# Altium PCB MCU063B_PCB.PcbDoc (part 4 of 9)
Units mil, origin at the board's own origin, x right, y up, seen from the top; angles counter-clockwise.
Board outline 4165.01 x 2371.03 mil, 10 copper layers (Top Layer, Internal Plane 2, Signal Layer 3, Signal Layer 4, Internal Plane 5, Internal Plane 6, Signal Layer 7, Signal Layer 8, Internal Plane 9, Bottom), stack 59.9 mil thick; 440 components, 394 nets, 1760 pads, 1251 vias.
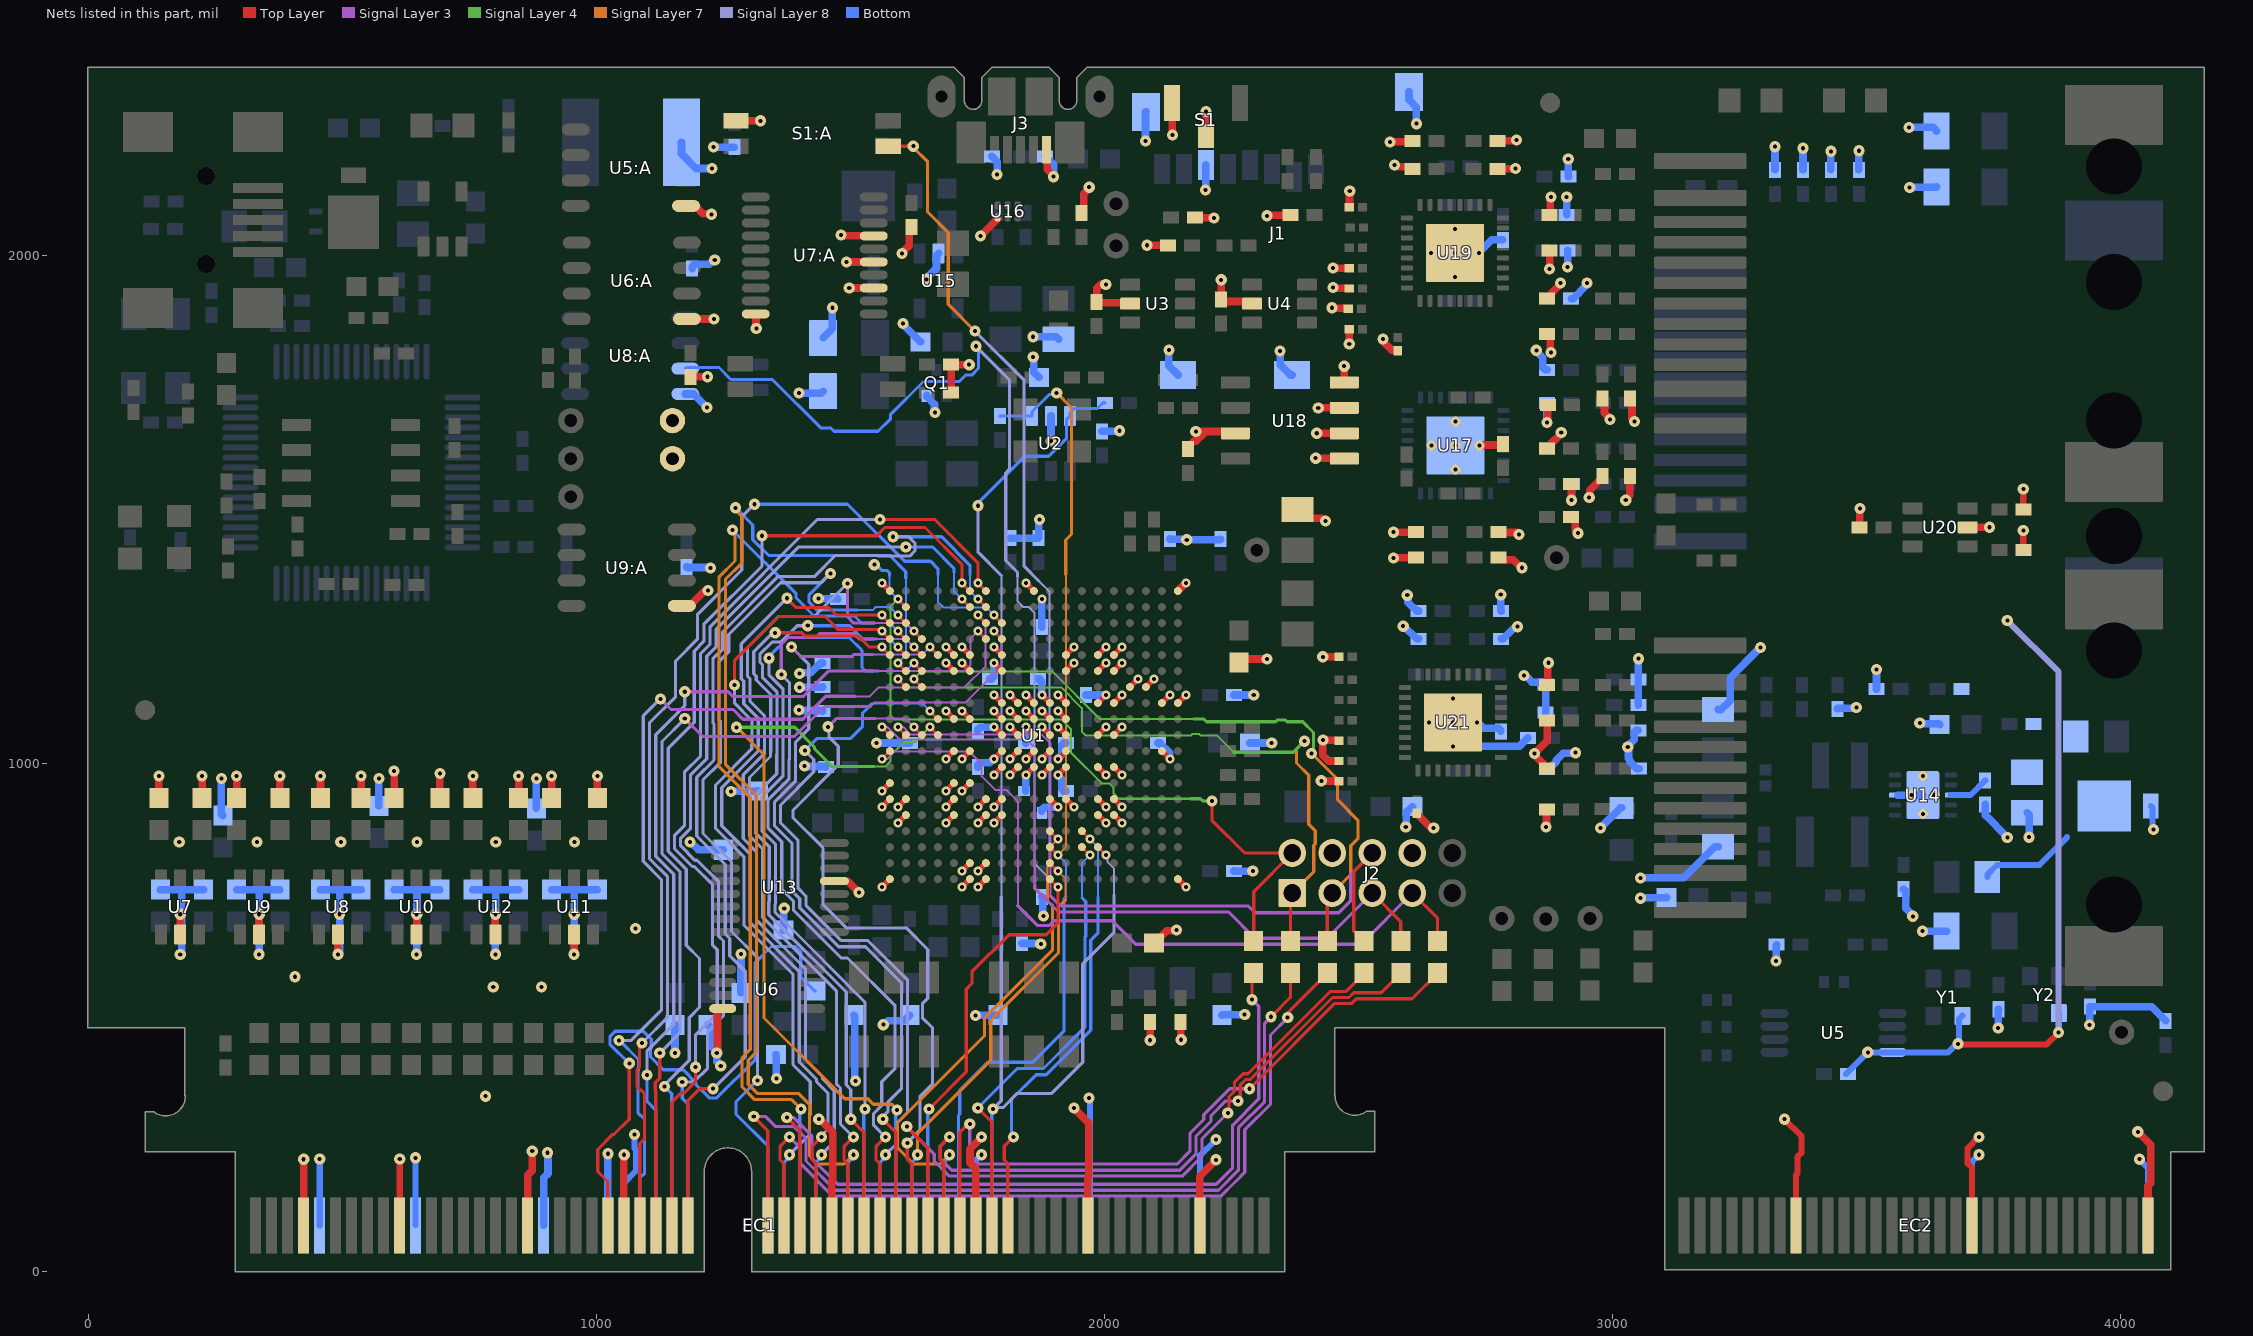
[diagram p12: the nets of this part, all layers, seen from the top]

## Via types
v1: diameter 22, hole 8, Top Layer to Bottom, tented both sides, 895 vias
v2: diameter 18, hole 8, Top Layer to Bottom, tented both sides, 334 vias
v3: diameter 19.68, hole 7.87, Top Layer to Bottom, tented both sides, 19 vias
v4: diameter 18, hole 7.87, Top Layer to Bottom, tented both sides, 1 vias
v5: diameter 18/18/18/18/18/18 (per signal layer), hole 8, Top Layer to Bottom, tented both sides, 1 vias
v6: diameter 22/22/22/22/22/22 (per signal layer), hole 8, Top Layer to Bottom, tented both sides, 1 vias

## Nets (pads, with @x,y where several pads share a name; then routed paths per layer and width w, separated by ;. In a path a pad name is that pad's centre, name@x,y a point inside that pad or via, vN(x,y) a via of type N, cw(c..) or ccw(c..) an arc to the next point about the centre after c; other vN are vias at no path point) (continued)
GND: C1.2 C2.2 C3.2 C4.2 C5.2 C6.2 C7.2 C8.2 C9.2 C10.2 C11.2 C12.2 C13.2 C14.2 C15.2 C16.2 C17.2 C18.2 C19.2 C20.2 C21.2 C21:A.2 C22.2 C23.2 C23:A.2 C24.2 C24:A.1 C25.2 C26.2 C26:A.2 C27.2 C28.2 C28:A.2 C29.2 C29:A.1 C30.2 C31.2 C32.2 C33.2 C34.2 C35.2 C36.2 C37.2 C38.2 C39.2 C40.2 C41.2 C42.2 C43.2 C44.1 C45.2 C46.2 C47.2 C48.2 C49.1 C51.2 C52.1 C53.1 C54.2 C55.2 C56.2 C57.2 C58.2 C59.2 C60.2 C61.2 C62.2 C63.1 C64.1 C65.2 C66.2 C67.2 C68.2 C69.2 C70.2 C71.2 C72.2 C73.2 C74.2 C75.2 C76.2 C77.2 C78.2 C79.2 C80.2 C81.1 C82.2 C83.2 C84.2 C85.2 C86.1 C87.2 C88.2 C89.2 C90.2 C91.2 C92.2 C93.2 C94.2 C95.2 C96.2 C97.1 C98.1 C99.1 C100.1 C101.2 C102.2 C103.1 C104.2 C105.2 C106.2 C107.2 C108.2 C109.2 C110.2 C111.2 C112.2 C113.2 C114.1 C115.2 C116.1 C117.1 C118.1 C119.2 C120.2 C121.1 C122.2 C123.2 C124.2 C125.2 C126.2 C127.2 C128.2 C129.2 C130.2 C131.2 C132.1 C133.1 C134.2 C135.1 C136.1 C137.2 C138.2 C139.1 D5.1 EC1.7 EC1.10 EC1.19 EC1.22 EC1.35 EC1.38 EC1.46 EC1.47 EC1.65 EC1.83 EC1.97 EC1.111 EC2.135 EC2.157 EC2.179 J1.6 J1.S1 J1.S2 J1.S3 J1.S4 J2.4 J2.8 J3.5 Q1.2 R16.1 R17.1 R18.1 R19.1 R36.2 R37.1 R41.2 R45.2 R46.2 R91.1 R92.1 R93.1 R94.1 R100.1 R105.2 R106.2 R109.2 R124.2 R131.1 R132.1 R133.1 R134.1 R135.1 R136.1 R143.2 R144.2 R148.2 R155.1 R156.1 R157.1 R158.1 R159.1 S1.2 S1.3 S1:A.1 TP10.1 U1.A1 U1.A10 U1.A19 U1.E5 U1.E6 U1.E8 U1.E12 U1.E14 U1.E15 U1.F5 U1.F6 U1.F8 U1.F12 U1.F14 U1.F15 U1.G16 U1.G17 U1.H8 U1.H9 U1.H10 U1.H11 U1.H12 U1.H14 U1.H15 U1.H18 U1.H19 U1.J5 U1.J6 U1.J8 U1.J9 U1.J10 U1.J11 U1.J12 U1.K8 U1.K9 U1.K10 U1.K11 U1.K12 U1.K14 U1.K15 U1.L5 U1.L6 U1.L8 U1.L9 U1.L10 U1.L11 U1.L12 U1.L18 U1.M8 U1.M9 U1.M10 U1.M11 U1.M12 U1.M14 U1.M15 U1.N1 U1.N5 U1.N6 U1.P1 U1.P2 U1.P5 U1.P7 U1.P8 U1.P11 U1.P12 U1.P14 U1.P15 U1.R2 U1.R5 U1.R7 U1.R8 U1.R14 U1.R15 U1.V6 U1.V7 U1.W1 U1.W6 U1.W7 U1.W19 U2.2 U3.2 U4.2 U5.4 U5:A.5 U6.4 U6:A.5 U7.2 U7:A.10 U7:A.13 U7:A.15 U7:A.17 U8.2 U8:A.4 U9.2 U9:A.5 U10.2 U11.2 U12.2 U13.13 U14.8 U14.11 U15.2 U16.4 U17.33@2691.07,1626.06 U18.1 U18.2 U18.3 U18.4 U18.7 U19.33@2690.01,2005 U20.2 U21.33@2686.07,1081.06 Y1.2 Y2.2 | length 17090.9
  Top Layer w10: v2(1562.21,756.89) U1.W1@1577.96,772.63 ; v2(1562.21,914.37) U1.P1@1577.96,930.12 ; v2(1562.21,945.86) U1.N1@1577.96,961.61 ; v2(1562.21,1355.31) U1.A1@1577.96,1339.56 ; v2(1593.7,882.87) U1.R2@1609.45,898.62 ; v2(1593.7,914.37) U1.P2@1609.45,930.12 ; v2(1688.19,882.87) U1.R5@1703.94,898.62 ; v2(1688.19,914.37) U1.P5@1703.94,930.12 ; v2(1688.19,945.86) U1.N5@1703.94,961.61 ; v2(1688.19,1008.86) U1.L5@1703.94,1024.6 ; v2(1688.19,1103.34) U1.J5@1703.94,1087.6 ; v2(1688.19,1197.83) U1.F5@1703.94,1182.08 ; v2(1688.19,1229.33) U1.E5@1703.94,1213.58 ; v2(1719.69,756.89) U1.W6@1735.44,772.63 ; v2(1719.69,788.38) U1.V6@1735.44,804.13 ; v2(1719.69,945.86) U1.N6@1735.44,961.61 ; v2(1719.69,1008.86) U1.L6@1735.44,1024.6 ; v2(1719.69,1103.34) U1.J6@1735.44,1087.6 ; v2(1719.69,1197.83) U1.F6@1735.44,1182.08 ; v2(1719.69,1229.33) U1.E6@1735.44,1213.58 ; v2(1751.18,756.89) U1.W7@1766.93,772.63 ; v2(1751.18,788.38) U1.V7@1766.93,804.13 ; v2(1751.18,882.87) U1.R7@1766.93,898.62 ; v2(1751.18,914.37) U1.P7@1766.93,930.12 ; v2(1782.68,882.87) U1.R8@1798.43,898.62 ; v2(1782.68,914.37) U1.P8@1798.43,930.12 ; v2(1782.68,977.36) U1.M8@1798.43,993.11 ; v2(1782.68,1008.86) U1.L8@1798.43,1024.6 ; v2(1782.68,1071.85) U1.K8@1798.43,1056.1 ; v2(1782.68,1103.34) U1.J8@1798.43,1087.6 ; v2(1782.68,1134.84) U1.H8@1798.43,1119.09 ; v2(1782.68,1197.83) U1.F8@1798.43,1182.08 ; v2(1782.68,1229.33) U1.E8@1798.43,1213.58 ; v2(1814.18,977.36) U1.M9@1829.92,993.11 ; v2(1814.18,1008.86) U1.L9@1829.92,1024.6 ; v2(1814.18,1071.85) U1.K9@1829.92,1056.1 ; v2(1814.18,1103.34) U1.J9@1829.92,1087.6 ; v2(1814.18,1134.84) U1.H9@1829.92,1119.09 ; v2(1845.67,977.36) U1.M10@1861.42,993.11 ; v2(1845.67,1008.86) U1.L10@1861.42,1024.6 ; v2(1845.67,1071.85) U1.K10@1861.42,1056.1 ; v2(1845.67,1103.34) U1.J10@1861.42,1087.6 ; v2(1845.67,1134.84) U1.H10@1861.42,1119.09 ; v2(1845.67,1355.31) U1.A10@1861.42,1339.56 ; v2(1877.17,977.36) U1.M11@1892.92,993.11 ; v2(1877.17,1008.86) U1.L11@1892.92,1024.6 ; v2(1877.17,1071.85) U1.K11@1892.92,1056.1 ; v2(1877.17,1103.34) U1.J11@1892.92,1087.6 ; v2(1877.17,1134.84) U1.H11@1892.92,1119.09 ; U1.P11@1892.92,930.12 v2(1908.66,914.37) ; v2(1908.66,977.36) U1.M12@1924.41,993.11 ; v2(1908.66,1008.86) U1.L12@1924.41,1024.6 ; v2(1908.66,1071.85) U1.K12@1924.41,1056.1 ; v2(1908.66,1103.34) U1.J12@1924.41,1087.6 ; v2(1908.66,1134.84) U1.H12@1924.41,1119.09 ; U1.P12@1924.41,930.12 v2(1940.16,914.37) ; U1.F12@1924.41,1182.08 v2(1940.16,1197.83) ; U1.E12@1924.41,1213.58 v2(1940.16,1229.33) ; U1.R14@1987.4,898.62 v2(2003.15,882.87) ; U1.P14@1987.4,930.12 v2(2003.15,914.37) ; U1.M14@1987.4,993.11 v2(2003.15,977.36) ; U1.K14@1987.4,1056.1 v2(2003.15,1071.85) ; U1.H14@1987.4,1119.09 v2(2003.15,1134.84) ; U1.F14@1987.4,1182.08 v2(2003.15,1197.83) ; U1.E14@1987.4,1213.58 v2(2003.15,1229.33) ; U1.R15@2018.9,898.62 v2(2034.65,882.87) ; U1.P15@2018.9,930.12 v2(2034.65,914.37) ; U1.M15@2018.9,993.11 v2(2034.65,977.36) ; U1.K15@2018.9,1056.1 v2(2034.65,1071.85) ; U1.H15@2018.9,1119.09 v2(2034.65,1134.84) ; U1.F15@2018.9,1182.08 v2(2034.65,1197.83) ; U1.E15@2018.9,1213.58 v2(2034.65,1229.33) ; U1.G16@2050.4,1150.59 v2(2066.14,1166.34) ; U1.G17@2081.89,1150.59 v2(2097.64,1166.34) ; U1.L18@2113.39,1024.6 v2(2129.14,1008.86) ; U1.H18@2113.39,1119.09 v2(2129.14,1134.84) ; U1.W19@2144.88,772.63 v2(2160.63,756.89) ; U1.H19@2144.88,1119.09 v5(2160.63,1134.84)
  Top Layer w12: EC1.19@613.19,91 v1(613.19,221.82) ; v1(3338.36,300) 3372.21,266.15 3372.21,233.97 3363.9,225.66 3363.9,193.01 3361.13,190.24 EC2.135@3361.13,91 EC2.135@3363.9,93.77 ; v1(3680.21,448.31) 3681.21,447.31 3855.21,447.31 v1(3878.21,470.31) ; EC2.157@3707.59,91 3707.59,204.93 3699.21,213.31 3699.21,242.9 v1(3721.31,265) ; R143.2@3808.63,1420 v1(3808.63,1458.62) ; R144.2@3808.63,1500 v1(3808.63,1540.62)
  Top Layer w15: C33.2@139.21,931.81 v1(139.21,975.31) ; U7.2@181.02,663.74 181.02,703.12 v1(181.21,703.31) ; C17.2@224.21,931.81 v1(224.21,975.31) ; C37.2@292.21,931.81 v1(292.21,975.31) ; U9.2@336.42,663.74 v1@336.42,703.12 ; C21.2@377.21,931.81 v1(377.21,975.31) ; EC1.7@424.22,91 v1(424.22,221.21) ; C35.2@457.21,931.81 v1(457.21,975.31) ; v1(491.42,624.5) U8.2@491.42,663.74 ; C19.2@537.21,931.81 v1(537.21,975.31) ; C39.2@602.21,931.81 v1(602.21,985.31) ; U10.2@646.42,663.74 v1@646.42,703.12 ; C23.2@692.21,931.81 v1(692.21,980.31) ; C43.2@757.21,931.81 v1(757.21,975.31) ; U12.2@801.42,663.74 v1@801.42,703.12 ; C27.2@847.21,931.81 v1(847.21,975.31) ; EC1.35@865.16,91 865.16,190.15 874.01,199 v1(874.01,237) ; C41.2@912.21,931.81 v1(912.21,975.31) ; v1(956.42,624.5) U11.2@956.42,663.74 ; C25.2@1002.21,931.81 v1(1002.21,975.31) ; EC1.47@1054.14,91 1054.14,229.13 v1(1055.01,230) ; U9:A.5@1168.51,1310.32 1184.2,1310.32 1212.86,1338.97 1218.87,1338.97 v1(1220.21,1340.31) ; U5:A.5@1176.68,2097.63 1194.7,2097.63 1210,2082.34 1225.67,2082.34 v1(1227.01,2081) ; U6:A.5@1178.51,1875 v1(1232.01,1875) ; C26:A.2@1185.03,1761.23 v1(1218.78,1761.23) ; v1@1238.55,432.03 1238.55,516.46 1239.8,517.71 U6.4@1248.82,517.71 ; S1:A.1@1275.01,2265 v1(1323.01,2265) ; U7:A.10@1313.87,1884.84 1314.44,1884.27 1314.44,1856.57 v1(1315.01,1856) ; v1(1438.04,300) 1439.86,300 1465.54,274.32 1465.54,180.53 1463.59,178.58 EC1.65@1463.59,91 ; U13.13@1468.7,768.6 1468.85,768.46 1494.74,768.46 1516.89,746.31 v1(1517.21,746.31) ; v1(1482.01,2040) 1483.1,2038.91 1545.63,2038.91 U7:A.17@1546.15,2038.39 ; v1(1492.8,1987.2) U7:A.15@1546.15,1987.2 ; v1(1497.99,1936.02) U7:A.13@1546.15,1936.02 ; v1(1602.01,2004) 1602.01,2005.89 1615.7,2019.58 1615.7,2052.07 C24:A.1@1620.01,2056.38 ; R36.2@1698.63,1730 R37.1@1698.63,1785 v1(1734.01,1785) ; EC1.83@1747.05,91 1747.05,202.96 1735.5,214.51 1735.5,240.61 1758,263.11 v1(1758,265) ; v1(1756.01,2038) 1790.01,2072 U16.4@1790.01,2075 ; J3.5@1886.14,2207.75 1887.49,2206.39 1887.49,2169.41 1900.01,2156.89 v1(1900.01,2155) ; v1(1939.97,322) 1969.48,292.49 1969.48,184.47 1967.52,182.52 EC1.97@1967.52,91 ; C5.2@1955.01,2083.62 1959.32,2087.93 1959.32,2121.53 1970.21,2132.42 v1(1970.21,2134.31) ; v1(2002.87,1942.97) 1992.87,1942.97 1985.01,1935.11 C4.2@1985.01,1908.62 1986.82,1906.81 2049.06,1906.81 U3.2@2050.88,1905 ; v1(2084.01,2020) C3.2@2125.01,2020 ; R16.1@2090.01,491.38 2090.11,491.28 2090.11,455.41 v1(2090.21,455.31) ; C64.1@2097.64,646.65 2098.62,646.65 2122.95,670.97 2140.87,670.97 v1(2142.21,672.31) ; S1.2@2133.08,2300 2133.54,2299.54 2133.54,2237.46 v1(2134.01,2237) ; U1.A19@2144.88,1339.56 v2(2160.63,1355.31) ; R17.1@2150.01,491.38 2150.61,490.78 2150.61,456.91 v1(2151.21,456.31) ; C115.2@2165.01,1618.62 2165.01,1622.56 2177.32,1634.87 2181.26,1634.87 2196.39,1650 2193.02,1653.37 ; R19.1@2178.63,2075 2179.13,2074.5 2215.51,2074.5 v1(2216.01,2074) ; v1(2180.01,1653.37) 2193.02,1653.37 ; EC1.111@2188,91 2188,187.99 v1(2220.01,220) ; S1.3@2200.01,2235.04 v1(2200.01,2283) ; v1(2230.01,1952) C6.2@2230.01,1913.62 2234.32,1909.31 2286.56,1909.31 U4.2@2290.88,1905 ; U18.7@2257.73,1650 2254.36,1653.37 2193.02,1653.37 ; C82.2@2265,1198.5 2272.2,1205.71 v1(2320.3,1205.71) ; v1(2320.01,2078) 2321.01,2079 2365.39,2079 C2.2@2366.39,2080 ; C81.1@2380.01,1500 2397.51,1482.5 2428.12,1482.5 2433.31,1477.31 v1(2435.21,1477.31) ; v1(2416.01,1601) 2416.51,1600.5 2471.79,1600.5 U18.1@2472.29,1600 ; v1(2418.01,1650) U18.2@2472.29,1650 ; v1(2421.01,1700) U18.3@2472.29,1700 ; v1(2427.01,966) 2427.51,965.5 2461.52,965.5 R158.1@2462.02,965 ; v1(2430.01,1210) R155.1@2462.02,1210 ; v1(2448.01,1897) 2449.24,1895.77 2479.24,1895.77 R133.1@2480.01,1895 ; v1(2450.01,1937) 2451.24,1935.77 2481.25,1935.77 R132.1@2482.02,1935 ; v1(2450.01,1975) R136.1@2482.02,1975 ; R157.1@2462.02,1005 2441.4,1005 2430.21,1016.19 v1(2430.21,1046.31) 2430.86,1045.66 2461.36,1045.66 R156.1@2462.02,1045 ; v1(2472.01,1782) 2472.01,1750.28 U18.4@2472.29,1750 ; v1(2482.02,1825.99) R134.1@2482.02,1855 ; R131.1@2482.02,2095 2482.51,2095.5 2482.51,2126.5 v1(2483.01,2127) ; v1(2548.21,1835.31) 2549.55,1833.97 2549.55,1829.55 2565.22,1813.88 2576.44,1813.88 2577.21,1813.11 R135.1@2577.21,1812.32 ; v1(2562.01,2223) 2563.01,2224 2605.39,2224 C108.2@2606.39,2225 ; v1(2569.21,1404.31) 2569.71,1404.81 2613.08,1404.81 C91.2@2613.58,1405.31 ; v1(2569.21,1455.31) C94.2@2613.58,1455.31 ; v1(2571.21,2178.2) 2573.1,2178.2 2576.99,2174.31 2602.08,2174.31 C111.2@2606.39,2170 ; R159.1@2615.01,902.01 2615.01,901.22 2641.58,874.65 2646.87,874.65 v1(2648.21,873.31) ; v3(2738.32,1626.06) 2739.21,1626.96 2783.35,1626.96 R109.2@2785.01,1628.62 ; C109.2@2773.63,2170 2774.13,2170.5 2808.51,2170.5 v1(2809.01,2171) ; C110.2@2773.63,2225 2774.63,2226 2810.01,2226 v1(2811.01,2227) ; C93.2@2775.83,1405.31 2780.14,1401 2804.62,1401 2820.31,1385.31 v1(2822.21,1385.31) ; C92.2@2775.83,1455.31 2776.33,1454.81 2812.71,1454.81 v1@2813.21,1454.31 ; v1(2869.21,875.31) 2870.3,876.4 2870.3,908.91 C138.2@2871.39,910 ; v1(2871.21,1671.31) 2872.4,1672.5 2872.4,1704.12 C89.2@2873.58,1705.31 ; C137.2@2871.39,990 2867.45,990 2863.14,994.31 2863.14,1000.93 2846.46,1017.61 v1(2846.46,1019.5) 2871.39,1044.43 C131.2@2871.39,1085 ; C130.2@2871.39,1155 2872.87,1156.48 2872.87,1196.97 v1(2874.21,1198.31) ; C88.2@2871.39,1620 2875.32,1620 2879.64,1624.31 2879.64,1629.85 2899.21,1649.42 v1(2899.21,1651.31) ; C120.2@2871.39,1845 2873.36,1845 2877.67,1840.69 2877.67,1810.34 v1(2879.01,1809) ; C119.2@2871.39,1915 2875.32,1915 2879.64,1919.31 2879.64,1925.73 2898.01,1944.11 v1(2898.01,1946) ; v1(2876.39,1973.62) C113.2@2876.39,2010 ; C112.2@2876.39,2080 2877.7,2081.31 2877.7,2113.69 v1(2879.01,2115) ; C90.2@2918.63,1485 2922.57,1485 2926.88,1480.69 2926.88,1460.53 2932.21,1455.21 v1(2932.21,1453.31) ; C87.2@2918.63,1550 2918.92,1549.71 2918.92,1518.6 v1(2919.21,1518.31) ; v1(2954.21,1523.31) 2955.55,1524.65 2955.55,1537.98 2980.01,1562.44 C98.1@2980.01,1566.38 ; C100.1@2980.01,1718.03 2984.32,1713.72 2984.32,1690.09 2995.21,1679.21 v1(2995.21,1677.31) ; v1(3026.21,1518.31) 3026.21,1520.21 3034.13,1528.13 3034.13,1565.5 C99.1@3035.01,1566.38 ; C97.1@3035.01,1718.03 3038.63,1714.41 3038.63,1679.78 3043.21,1675.21 v1(3043.21,1673.31) ; C134.2@3486.39,1465 3486.7,1465.31 3486.7,1501.69 v1(3487.01,1502) ; U20.2@3699.14,1465 v1(3742.01,1465) ; v1(4034,275.2) 4059.71,249.49 4059.71,174.14 4054.04,168.47 EC2.179@4054.04,91
  Signal Layer 3 w15: v1(2846.46,1019.5) v1@2849.27,1022.31
  Signal Layer 4 w15: v1(2932.21,1453.31) v1@2932.21,1457.31
  Signal Layer 8 w12: v1(3777.21,1281.31) 3878.21,1180.31 v1(3878.21,470.31)
  Bottom w6.25: EC1.22@644.01,91.68 EC1.22@644.69,91
  Bottom w12: EC1.10@455.71,91 v1(455.71,221.7) ; EC1.22@644.01,91.68 v1(644.01,224) ; C7.2@3459.59,388.6 v1(3502.6,431.61) U5.4@3551.15,431.61 3660.8,431.61 3677.5,448.31 v1(3680.21,448.31) 3682.12,450.23 3682.12,497.15 Y1.2@3688.55,503.58 ; v1(3878.21,470.31) 3878.38,470.48 3878.38,508.41 Y2.2@3878.55,508.58
  Bottom w15: C32.2@142.21,751.81 187.21,751.81 ; v1@184.21,624.31 184.21,748.81 187.21,751.81 ; C16.2@227.21,751.81 187.21,751.81 ; v1(262.21,970.31) 262.21,900.54 C8.2@264.94,897.81 ; C36.2@292.21,751.81 334.71,751.81 ; v1(336.42,624.5) 336.42,750.1 334.71,751.81 ; C20.2@377.21,751.81 334.71,751.81 ; C34.2@457.21,751.81 492.21,751.81 ; v1(491.42,624.5) 494.8,627.88 v1(494.8,703.31) 494.8,749.22 492.21,751.81 ; C18.2@537.21,751.81 492.21,751.81 ; C9.2@572.21,916.81 v1(572.21,970.31) ; C38.2@602.21,751.81 647.21,751.81 ; v1(646.42,624.5) 646.42,703.12 v1(646.61,703.31) 647.21,703.91 647.21,751.81 ; C22.2@692.21,751.81 647.21,751.81 ; C42.2@757.21,751.81 802.21,751.81 ; v1(801.42,624.5) 801.42,703.12 v1(801.61,703.31) 802.21,703.91 802.21,751.81 ; C26.2@847.21,751.81 802.21,751.81 ; C10.2@882.21,911.81 v1(882.21,970.31) ; EC1.38@896.66,91 896.66,184.65 905.01,193 905.01,234 v1(904.01,234) ; C40.2@912.21,751.81 957.21,751.81 ; v1(956.42,624.5) 956.42,703.12 v1(956.61,703.31) 956.61,751.21 957.21,751.81 ; C24.2@1002.21,751.81 957.21,751.81 ; EC1.46@1022.64,91 1022.64,231.63 v1(1023.01,232) ; C14.2@1154.92,485.63 C14.2@1154.92,485.63 1154.97,430.04 v1(1155.01,430) ; C29:A.1@1167.79,2222.63 1167.79,2199.92 1196.71,2171 v1(1228.01,2171) ; U8:A.4@1175.34,1727.37 1191.33,1727.37 1217.7,1701 v1(1218.01,1701) ; C28:A.2@1178.04,1386.69 1178.89,1385.85 1224.16,1385.85 v1(1225.01,1385) ; v1(1184.21,845.31) 1186.1,845.31 1201.3,830.12 C44.1@1250.01,830.12 ; C23:A.2@1188.79,1974.13 1188.79,1978.07 1193.1,1982.38 1222.38,1982.38 1231.31,1991.31 v1(1233.21,1991.31) ; C13.2@1219.92,485.63 1225.97,479.58 1225.97,443.44 1237.21,432.21 v1(1237.21,430.31) 1237.21,412.8 v1(1245.01,405) ; v1(1230.86,2213.15) C21:A.2@1271.96,2213.15 ; v1(1265.01,945) 1265.44,945.43 1317.68,945.43 C30.2@1318.11,945.86 ; C15.2@1284.92,548.62 C15.2@1284.92,548.62 1284.97,624.96 v1(1285.01,625) ; C11.2@1353.43,427.12 1354.22,426.33 1354.22,380.79 v1(1355.01,380) ; C12.2@1368.43,672.12 1369.22,672.91 1369.22,714.21 v1(1370.01,715) ; v1(1399.01,1729) 1442.63,1729 C85.2@1446.43,1732.8 ; v1(1399.21,1105.31) 1400.19,1104.33 1444.61,1104.33 C80.2@1445.59,1103.34 ; v1(1400.01,1150) 1400.3,1150.29 1445.3,1150.29 C78.2@1445.59,1150.59 ; v1(1400.21,1177.31) 1401.55,1178.65 1422.48,1178.65 1441.66,1197.83 C74.2@1445.59,1197.83 ; v1(1410.01,995) 1410.96,994.05 1451.02,994.05 C65.2@1451.97,993.11 ; v1(1437.01,1325) 1437.6,1324.41 1475,1324.41 C71.2@1475.59,1323.82 ; C84.2@1446.43,1837.8 1464.78,1856.15 1464.78,1896.77 v1(1465.01,1897) ; C28.2@1507.09,504.92 1508.67,503.34 1508.67,376.34 v1(1510.01,375) ; v1(1551.36,1040.35) C54.2@1617.33,1040.35 ; v1(1565.01,486) 1566.9,486 1574.4,493.5 1606.12,493.5 1617.33,504.7 C31.2@1617.33,504.92 ; v1(1604.01,1866) 1605.35,1864.66 1605.35,1862.18 1637.53,1830 R105.2@1638.51,1830 ; v1(1650.01,1953) 1650.01,1954.89 1669.66,1974.54 1669.66,1999.82 U15.2@1673.97,2004.13 ; Q1.2@1650.32,1724.41 1650.32,1722.44 1665.67,1707.1 1665.67,1692.34 v1(1667.01,1691) ; v1(1746.21,504.31) 1746.51,504.62 1790.25,504.62 C29.2@1790.55,504.92 ; C61.2@1751.18,993.11 1751.18,997.04 1755.49,1001.36 1774.37,1001.36 1781.87,1008.86 v2(1782.68,1008.86) ; C73.2@1751.18,1063.97 1751.18,1066.96 1755.49,1071.27 1782.11,1071.27 v2(1782.68,1071.85) ; C58.2@1774.81,1166.34 1777.79,1166.34 1782.11,1170.65 1782.11,1197.26 v2(1782.68,1197.83) ; R106.2@1778.62,2195 1789.01,2184.61 v1(1789.01,2159) ; C70.2@1815.01,1443.62 C76.2@1870.01,1443.62 1871.11,1444.72 1871.11,1479.21 v1(1872.21,1480.31) ; C66.2@1837.8,646.65 1838.62,645.83 1874.18,645.83 v1(1875.01,645) ; C62.2@1845.67,945.86 v2(1845.67,977.36) ; C79.2@1845.67,1040.35 v2(1845.67,1071.85) ; v1(1859.51,1840) 1905.01,1840 R100.1@1910.01,1835 ; v1(1860.01,1800) 1861.35,1798.66 1861.35,1770.16 C83.2@1871.51,1760 ; C75.2@1869.29,1166.34 1872.28,1166.34 1876.59,1162.02 1876.59,1135.41 v2(1877.17,1134.84) ; C69.2@1877.17,737.76 1878.67,736.25 1878.67,701.34 v1(1880.01,700) ; C56.2@1877.17,906.49 1877.17,909.48 1881.48,913.79 1908.09,913.79 v2(1908.66,914.37) ; C59.2@1877.17,1268.7 v2(1877.17,1323.82) ; C86.1@1883.62,2195 1900.01,2178.61 v1(1900.01,2155) ; v1(1895.01,1635) U2.2@1895.01,1684.13 ; v2(1908.66,977.36) 1908.66,976.55 1916.16,969.05 1916.16,950.17 1920.47,945.86 C57.2@1924.41,945.86 ; v2(1908.66,1008.86) 1908.66,1009.67 1916.16,1017.17 1916.16,1036.04 1920.47,1040.35 C60.2@1924.41,1040.35 ; C55.2@1963.78,1134.84 v2(2003.15,1134.84) ; C1.2@1995.01,1653.62 1995.7,1654.31 2029.32,1654.31 v1(2030.01,1655) ; v1(2081.01,2225) 2081.01,2281.52 J1.S2@2082.01,2282.52 ; C68.2@2105.51,1040.35 2109.45,1040.35 2128.56,1021.24 2128.56,1010.24 v2@2129.14,1010.24 ; v1(2127.01,1814) 2127.01,1782.79 J1.S3@2145,1764.8 ; C72.2@2129.14,1441.93 2129.94,1441.12 2161.4,1441.12 v1(2162.21,1440.31) 2227.69,1440.31 R94.1@2229,1441.62 ; v1(2199.01,2129) 2199.37,2129.36 2199.37,2177.83 J1.6@2199.73,2178.19 ; C63.1@2231.5,504.92 2232.2,505.62 2275.51,505.62 v1(2276.21,506.31) ; C77.2@2255.12,1134.84 2255.2,1134.92 2293.93,1134.92 v1(2294.01,1135) ; C53.1@2286.62,1040.35 v1(2329.36,1040.35) ; v1(2292.21,788.31) 2292.17,788.35 C67.2@2255.16,788.35 ; v1(2346.01,1812) 2346.01,1784.86 2366.07,1764.8 J1.S4@2369.41,1764.8 ; v1(2588.21,1270.31) 2589.65,1270.31 2614.65,1245.31 C129.2@2618.58,1245.31 ; v1(2593.21,875.31) 2594.55,876.65 2594.55,903.8 2605.75,915 C52.1@2606.51,915 ; v1(2596.21,1331.31) 2597.55,1329.97 2597.55,1317.41 2614.65,1300.31 C126.2@2618.58,1300.31 ; J1.S1@2599.73,2321.89 2599.73,2306.47 2614.21,2291.99 v1(2614.21,2259.31) ; v3(2686.07,1033.82) 2817.09,1033.82 C123.2@2833.58,1050.31 ; v3(2733.32,1081.06) 2734.58,1081.06 2746.25,1069.4 2776.25,1069.4 2780.56,1065.09 R148.2@2780.56,1063.35 ; v3(2737.25,2005) 2762.84,2030.59 R124.2@2784.5,2030.59 ; v1(2780.21,1332.31) 2780.52,1332 2780.52,1300.62 C127.2@2780.83,1300.31 ; C128.2@2780.83,1245.31 2784.77,1245.31 2807.43,1267.97 2811.87,1267.97 v1(2813.21,1269.31) ; v1(2826.21,1173.31) 2828.1,1173.31 2841.79,1159.62 2864.27,1159.62 C125.2@2868.58,1155.31 C124.2@2868.58,1100.31 ; v1(2850.21,1813.31) 2850.21,1811.42 2863.14,1798.49 2863.14,1779.31 2867.45,1775 C101.2@2871.39,1775 ; v1(2871.21,1671.31) 2871.3,1671.4 2871.3,1709.91 C102.2@2871.39,1710 ; C95.2@2871.39,1620 2875.32,1620 2879.64,1624.31 2879.64,1629.85 2899.21,1649.42 v1(2899.21,1651.31) ; C122.2@2871.58,989.31 2875.52,989.31 2889.58,1003.37 2889.58,1006.71 2902.84,1019.97 2925.87,1019.97 v1(2927.21,1021.31) ; C104.2@2909.83,2080 2909.92,2080.09 2909.92,2114.91 v1(2910.01,2115) ; v1(2911.82,1977) C105.2@2911.82,2010 ; v1(2913.01,2190) 2913.32,2189.69 2913.32,2155.31 C106.2@2913.63,2155 ; C107.2@2918.63,1915 2922.57,1915 2948.67,1941.1 2948.67,1944.66 v1(2950.01,1946) ; v1(2919.21,1518.31) 2919.61,1518.71 2919.61,1549.6 C96.2@2920.01,1550 ; v1(2976.21,873.31) 2976.54,873.31 3015.95,912.72 D5.1@3017.92,912.72 ; C133.1@3050.83,1065.31 3046.89,1065.31 3042.58,1061 3042.58,1046.58 3031.55,1035.55 3031.55,1034.21 3033.44,1032.31 3031.55,1030.42 3031.55,1010.11 3034.26,1007.4 3034.26,1004.06 3048.32,990 C135.1@3052.25,990 ; C132.1@3050.83,1115.31 C136.1@3050.83,1165.31 3051.02,1165.5 3051.02,1206.12 v1(3051.21,1206.31) ; v1(3055.01,735) 3055.7,735.69 3105.73,735.69 R93.1@3106.42,736.38 ; v1(3055.01,775) 3140.03,775 3201.42,836.38 C45.2@3207.92,836.38 ; C51.2@3207.92,1106.38 3214.42,1106.38 3231.92,1123.88 3231.92,1169.02 v1(3291.4,1228.5) ; C114.1@3320.01,2168.62 v1(3320.01,2214) ; v1@3321.8,610.9 v1(3322.21,611.31) 3322.21,642.62 R46.2@3323.09,643.5 ; C116.1@3375.01,2168.62 v1(3375.01,2211) ; C117.1@3430.01,2168.62 v1(3430.01,2205) ; R92.1@3442.92,1107.76 3444.04,1108.88 3478.89,1108.88 v1(3480.01,1110) ; C118.1@3485.01,2168.62 v1(3485.01,2206) ; C48.2@3519.29,1146.38 3519.65,1146.74 3519.65,1184.64 v1(3520.01,1185) ; U14.8@3561.99,937.77 U14.11@3610.82,937.77 ; C49.1@3572.92,752.76 3577.23,748.45 3577.23,715.19 3591.21,701.21 v1(3591.21,699.31) ; v1(3584.01,2252) 3630.92,2252 C121.1@3637.92,2245 ; v1(3585.01,2134) 3636.92,2134 C103.1@3637.92,2135 ; v1(3605.01,1080) 3606.35,1078.66 3641.93,1078.66 R91.1@3643.87,1076.71 ; v1(3610.01,670) C139.1@3657.92,670 ; C46.2@3733.73,919.55 3733.73,898.79 3777.21,855.31 v1(3777.21,854.31) ; v1(3759.21,479.31) 3759.61,479.71 3759.61,515.98 R41.2@3760.01,516.38 ; C47.2@3816.2,903.17 3820.01,899.37 v1(3820.01,855) ; v1(3939.21,485.31) 3939.61,485.71 3939.61,520.98 4061.65,520.98 R18.1@4089,493.62 ; C67.2@2255.12,788.38 C67.2@2255.16,788.35